# Altium PCB Layout.PcbDoc (part 3 of 4)
Units mil, origin at the board's own origin, x right, y up, seen from the top; angles counter-clockwise.
Board outline 11008.03 x 7942.91 mil, 4 copper layers (Top Layer, Mid 1, Mid 2, Bottom Layer), stack 23.712 mil thick; 525 components, 275 nets, 1569 pads, 373 vias.
Unrouted connection lines stored in the file: 16.
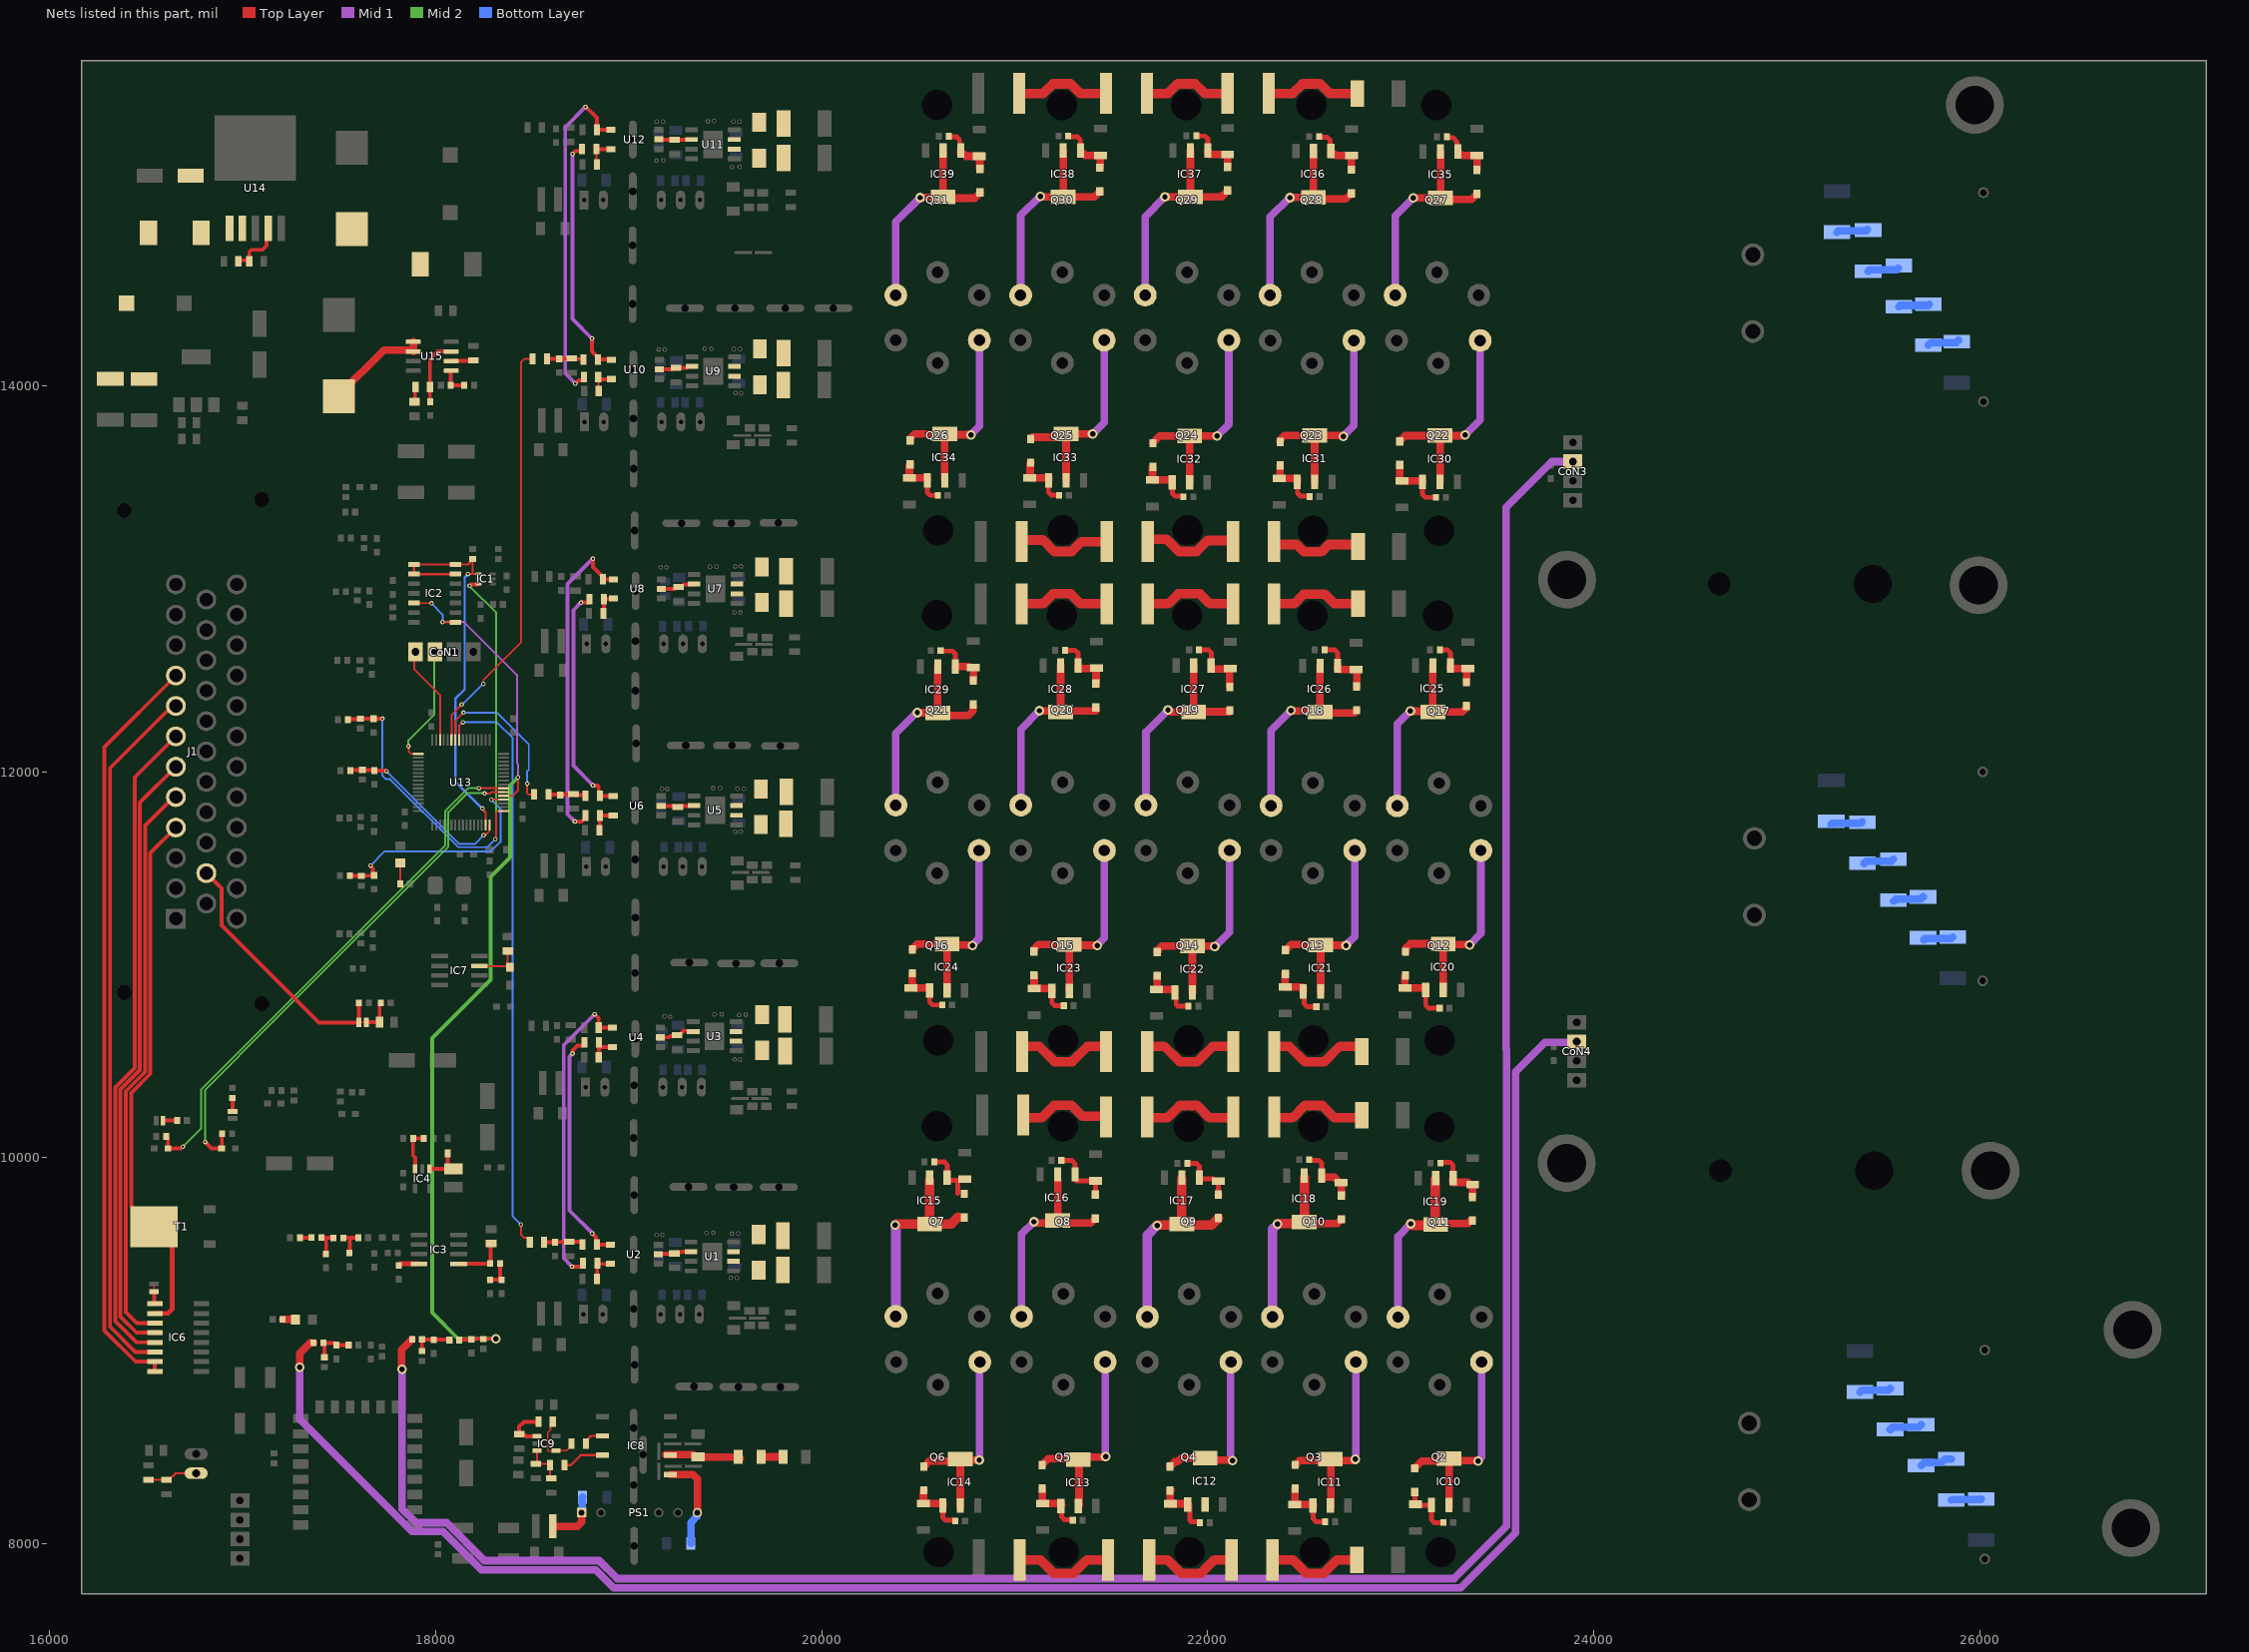
[diagram p5: the nets of this part, all layers, seen from the top]

## Via types
v1: diameter 50, hole 28, Top Layer to Bottom Layer, 129 vias
v2: diameter 23.62, hole 11.81, Top Layer to Bottom Layer, 97 vias
v3: diameter 19.68, hole 7.87, Top Layer to Bottom Layer, 72 vias
v4: diameter 25/25/25/25 (per signal layer), hole 15, Top Layer to Bottom Layer, 50 vias
v5: diameter 23.62, hole 11.81, Top Layer to Bottom Layer, tented top, 21 vias
v6: diameter 157.48, hole 157.48, Top Layer to Bottom Layer, 4 vias

## Nets (pads, with @x,y where several pads share a name; then routed paths per layer and width w, separated by ;. In a path a pad name is that pad's centre, name@x,y a point inside that pad or via, vN(x,y) a via of type N, cw(c..) or ccw(c..) an arc to the next point about the centre after c; other vN are vias at no path point) (continued)
NetC76_1: C76.1 IC3.1 R55.1 | length 268.9
  Top Layer w20: IC3.1@18118.12,9450.99 18119.03,9451.89 18280.63,9451.89 R55.1@18281.53,9452.8 18284.19,9455.46 18284.19,9552.67 C76.1@18286.85,9555.33
NetC77_2: C77.2 R50.1 R51.1 | length 151
  Top Layer w20: R50.1@17407.71,9587.32 17408.85,9586.19 17431.76,9586.19 ; C77.2@17423.86,9501.56 17429.61,9507.31 17431.76,9509.45 17431.76,9586.19 ; R51.1@17469.89,9585.06 17468.76,9586.19 17431.76,9586.19
NetC78_2: C78.2 R51.2 R52.1 | length 162.2
  Top Layer w20: R51.2@17521.07,9585.06 17559.47,9585.06 ; C78.2@17548.47,9505.42 17554.22,9511.17 17554.22,9523.77 17555.3,9524.85 17555.3,9580.89 17559.47,9585.06 ; R52.1@17598.08,9586.5 17593.05,9586.5 17592.33,9585.78 17592.33,9585.06 17559.47,9585.06
NetC80_2: C80.2 IC3.8 | length 110
  Top Layer w25: C80.2@17808.09,9442.43 17808.09,9444.4 17814.68,9450.99 IC3.8@17913.4,9450.99
NetC81_2: C81.2 C82.2 R55.2 | length 157.5
  Top Layer w20: C82.2@18273.08,9369.58 18274.02,9368.63 18340.25,9368.63 C81.2@18341.19,9367.69 18341.19,9369.65 18332.72,9378.13 R55.2@18332.72,9452.8
NetC83_2: C83.2 R57.2 SJ1.1 | length 169.1
  Top Layer w20: SJ1.1@17640.99,10701.21 17642.03,10702.24 17708.05,10702.24 C83.2@17709.08,10703.27 17709.08,10784.71 17720.89,10796.52 R57.2@17720.89,10798.49
NetC91_1: C91.1 D9.A R70.1 R71.1
NetC93_1: C93.1 D9.C U14.1
NetC95_2: C95.2 R74.2 U15.3 | length 346.6
  Top Layer w20: C95.2@17970.57,13917.25 17970.18,13917.64 17970.18,13993.63 R74.2@17969.79,13994.02 17969.79,14137.46 18010.36,14178.04 U15.3@18079.04,14178.04
NetC96_2: C96.2 R74.1 | length 78.9
  Top Layer w20: C96.2@17889.87,13917.25 17892.42,13919.81 17892.42,13991.46 R74.1@17894.98,13994.02
NetC103_1: C103.1 IC7.3 L11.2 | length 233.2
  Top Layer w10: IC7.3@18225.58,10994.96 18227.33,10993.21 18377.13,10993.21 18372.96,10997.37 C103.1@18372.96,11072.43
NetC108_2: C108.2 R83.2 R84.1 R86.2 | length 201.5
  Top Layer w20: R86.2@17928.65,8998.07 17928.65,9055.92 17930.6,9057.87 18068.69,9057.87 R83.2@18070.64,9055.92
NetC111_2: C111.2 IC8.1 PS1.7 | length 497.5
  Top Layer w39.37: IC8.1@19215.55,8359.34 19332.25,8359.34 19355.32,8336.28 PS1.7@19355.32,8161.79
  Bottom Layer w39.37: C111.2@19321.85,8001.97 19321.85,8111.53 19353.58,8143.26 19353.58,8160.06 PS1.7@19355.32,8161.79
NetC113_2: C113.2 L12.2 PS1.1 | length 289.3
  Top Layer w39.37: L12.2@18605.47,8090.99 18732.25,8090.99 18755.32,8114.06 PS1.1@18755.32,8161.79
  Bottom Layer w39.37: PS1.1@18755.32,8161.79 18758.03,8164.5 18758.03,8239.02 C113.2@18760.75,8241.74
NetC115_2: C115.2 R96.2 R97.1 R99.2 | length 214.9
  Top Layer w20: R99.2@17423.86,8966.58 17423.86,9032.81 17417.34,9039.33 R97.1@17417.34,9041.3 17474.81,9041.3 17484.81,9031.3 C115.2@17484.81,9029.33 17485.12,9029.65 17548.16,9029.65 R96.2@17548.47,9029.96
NetC130_1: C130.1 C131.2 | length 484.5
  Top Layer w50: C131.2@21695.96,7916.82 21791.61,7916.82 21861.23,7847.2 21964.83,7847.2 22034.45,7916.82 C130.1@22122.81,7916.82
NetC130_2: C130.2 R129.1 | length 473.2
  Top Layer w50: C130.2@22357.15,7916.82 22439.66,7916.82 22509.28,7847.2 22600.18,7847.2 22669.79,7916.82 R129.1@22772.64,7916.82
NetC131_1: C131.1 C132.1 | length 515.5
  Top Layer w50: C132.1@21025.54,7916.82 21132.04,7916.82 21201.65,7847.2 21304.45,7847.2 21374.07,7916.82 C131.1@21483.37,7916.82
NetC133_1: C133.1 C134.2 | length 497.9
  Top Layer w50: C134.2@21686.06,10207.63 21790.93,10207.63 21854.3,10270.99 21945.2,10270.99 22008.56,10207.63 C133.1@22131.5,10207.63
NetC133_2: C133.2 R146.1 | length 503.3
  Top Layer w50: C133.2@22344.1,10207.63 22438.99,10207.63 22502.35,10270.99 22593.25,10270.99 22656.61,10207.63 22782.41,10207.63 22787.47,10202.57 R146.1@22792.85,10202.57
NetC134_1: C134.1 C135.2 | length 483
  Top Layer w50: C135.2@21044.59,10207.63 21138.18,10207.63 21202.84,10272.29 21293.74,10272.29 21350.89,10215.14 21466.96,10215.14 21466.96,10214.13 C134.1@21473.46,10207.63
NetC136_1: C136.1 C138.2 | length 511.4
  Top Layer w50: C138.2@21686.06,10577.71 21774.72,10577.71 21854.3,10498.13 21945.42,10498.13 22025,10577.71 C136.1@22131.5,10577.71
NetC136_2: C136.2 R166.1 | length 518.4
  Top Layer w50: C136.2@22344.1,10577.71 22422.77,10577.71 22502.35,10498.13 22604.45,10498.13 22684.03,10577.71 R166.1@22796.56,10577.71
NetC138_1: C138.1 C139.2 | length 501.9
  Top Layer w50: C139.2@21037.51,10577.71 21126.18,10577.71 21205.76,10498.13 21296.66,10498.13 21376.24,10577.71 C138.1@21473.46,10577.71
NetC141_1: C141.1 C143.2 | length 484.1
  Top Layer w50: C143.2@21688.98,12870.91 21795.47,12870.91 21846.97,12922.4 21959.69,12922.4 22011.18,12870.91 C141.1@22130.4,12870.91
NetC141_2: C141.2 R177.1 | length 475.8
  Top Layer w50: C141.2@22343,12870.91 22446.54,12870.91 22495.42,12919.79 22607.22,12919.79 22656.1,12870.91 R177.1@22778.33,12870.91
NetC143_1: C143.1 C144.2 | length 482.7
  Top Layer w50: C144.2@21036.3,12870.91 21147.33,12870.91 21198.83,12922.4 21289.73,12922.4 21341.22,12870.91 C143.1@21476.38,12870.91
NetC147_1: C147.1 C149.2 | length 519.8
  Top Layer w50: C149.2@21688.98,13192.84 21688.98,13198.97 21695.47,13205.47 21786.81,13205.47 21850.28,13141.99 21941.18,13141.99 21998.16,13198.97 22123.9,13198.97 22130.4,13205.46 C147.1@22130.4,13222.44
NetC147_2: C147.2 R188.1 | length 477.9
  Top Layer w50: C147.2@22343,13192.84 22349.49,13186.34 22349.49,13177.75 22460.61,13177.75 22498.34,13140.03 22589.23,13140.03 22626.96,13177.75 R188.1@22778.33,13177.75
NetC149_1: C149.1 C150.2 | length 505
  Top Layer w50: C150.2@21036.3,13192.84 21036.3,13194.29 21042.8,13200.79 21145.76,13200.79 21204.55,13141.99 21295.45,13141.99 21346.3,13192.84 21469.88,13192.84 21469.88,13205.47 C149.1@21476.38,13211.96
NetC151_1: C151.1 C152.2 | length 458.8
  Top Layer w50: C152.2@21685.1,15514.76 21793.39,15514.76 21843.36,15564.72 21934.25,15564.72 21984.21,15514.76 C151.1@22102.51,15514.76
NetC151_2: C151.2 R199.1 | length 501.8
  Top Layer w50: C151.2@22315.1,15514.76 22440.48,15514.76 22490.44,15564.72 22581.34,15564.72 22631.3,15514.76 R199.1@22775.47,15514.76
NetC152_1: C152.1 C153.1 | length 490.9
  Top Layer w50: C153.1@21022.97,15514.76 21147.86,15514.76 21197.82,15564.72 21288.72,15564.72 21338.68,15514.76 C152.1@21472.51,15514.76
NetCoN1_1: CoN1.1 U13.46 | length 514.5
  Top Layer w10: CoN1.1@17895.17,12621.8 17888.01,12614.64 17888.01,12531.81 18022.38,12397.44 U13.46@18022.38,12165.94
NetCoN1_2: CoN1.2 U13.49 | length 609.6
  Top Layer w10: v2(17857.72,12133.18) 17860.32,12130.58 17860.32,12103.53 17870.92,12092.94 U13.49@17909.38,12092.94
  Mid 2 w10: v2(17857.72,12133.18) 17857.72,12163.23 17992.31,12297.82 CoN1.2@17992.31,12602.85
NetCoN3_3: CoN3.3 R84.2 | length 12610.3
  Top Layer w39.37: v1(17824.95,8904.96) 17822.92,8906.99 17822.92,9005.27 R84.2@17877.47,9059.82
  Mid 1 w39.37: v1(17824.95,8904.96) 17824.95,8181.31 17896.62,8109.65 18056.14,8109.65 18252.88,7912.91 18845.95,7912.91 18938.89,7819.96 23275.57,7819.96 23548.72,8093.12 23548.72,10558.83 23546.15,10561.41 23546.15,13369.97 23783.46,13607.28 CoN3.3@23891.73,13607.28
NetCoN4_3: CoN4.3 R97.2 | length 9992.8
  Top Layer w39.37: v1(17295.21,8915.4) 17295.21,8986.94 17349.57,9041.3 R97.2@17366.16,9041.3
  Mid 1 w39.37: v1(17295.21,8915.4) 17295.21,8646.91 17877.83,8064.29 18037.35,8064.29 18235.66,7865.99 18827.96,7865.99 18922.3,7771.65 23309.13,7771.65 23594.08,8056.6 23594.08,10445.63 23746.27,10597.82 CoN4.3@23921.85,10597.82
NetD1_a: D1.a R1.1
NetD1_k: D1.k R3.1 U1.6 U1.7
NetD2_a: D2.a R9.1
NetD2_k: D2.k R11.1 U3.6 U3.7
NetD3_a: D3.a R15.1
NetD3_k: D3.k R17.1 U5.6 U5.7
NetD4_a: D4.a R23.1
NetD4_k: D4.k R25.1 U7.6 U7.7
NetD5_a: D5.a R29.1
NetD5_k: D5.k R31.1 U9.6 U9.7
NetD6_a: D6.a R37.1
NetD6_k: D6.k R39.1 U11.6 U11.7
NetD7_A: D7.A R43.1 | length 108.4
  Top Layer w10: R43.1@17815.31,11419.83 D7.A@17815.31,11528.28
NetD8_A: D8.A IC4.1 L8.2 | length 175.1
  Top Layer w20: IC4.1@17967.66,9943.17 18062.51,9943.17 18061.35,9944.34 D8.A@18061.35,10022.92
NetD10_C: D10.C L9.1 U14.2
NetD11_A: D11.A R79.1 | length 66.3
  Top Layer w39.37: R79.1@17206.55,9162.88 17272.09,9162.88 D11.A@17272.65,9162.32
NetD12_a: D12.a IC10.1 R133.1 R138.2 | length 294.5
  Top Layer w25: D12.a@23071.5,8268.44 23072.55,8267.39 23072.55,8200.17 23073.6,8199.12 23153.05,8199.12 23159.25,8192.92 23159.25,8188.39 23159.25,8123.96 23173.9,8109.32 23218.67,8109.32 R133.1@23219.82,8110.47
NetD12_k: D12.k IC10.2 IC10.4 Q2.1 | length 1111.2
  Top Layer w39.37: D12.k@23071.5,8391.47 23072.49,8392.46 23072.49,8393.44 23073.47,8394.43 23074.46,8394.43 23108.58,8428.55 23249.8,8428.55 23252.03,8430.78 23397.99,8430.78 v1(23400.02,8428.74) ; IC10.4@23240.33,8428.55 23249.8,8419.07 IC10.2@23249.8,8188.39
  Mid 1 w39.37: v1(23400.02,8428.74) 23400.02,8431.62 23418.64,8450.24 Q2.1@23418.64,8941.93
NetD13_a: D13.a IC11.1 R134.1 R139.2 | length 320.3
  Top Layer w25: IC11.1@22546.71,8190.41 22546.71,8129.19 22561.36,8114.55 R134.1@22608.83,8114.55
  Top Layer w39.37: R139.2@22450.84,8204.76 R139.2@22452.35,8204.76 ; D13.a@22452.35,8286.04 R139.2@22452.35,8204.76 ; IC11.1@22546.71,8190.41 22546.71,8203.78 22545.73,8204.76 R139.2@22452.35,8204.76
NetD13_k: D13.k IC11.2 IC11.4 Q3.1 | length 1069.9
  Top Layer w39.37: D13.k@22452.35,8409.07 22453.34,8410.05 22453.34,8411.04 22455.88,8411.04 22475.41,8430.56 IC11.4@22637.26,8430.56 ; IC11.2@22637.26,8190.41 IC11.4@22637.26,8430.56 ; v1(22764.07,8438.1) 22761.2,8438.1 22753.66,8430.56 IC11.4@22637.26,8430.56
  Mid 1 w39.37: v1(22764.07,8438.1) 22764.07,8440.98 22767.8,8444.7 Q3.1@22767.8,8941.93
NetD14_a: D14.a IC12.1 R135.1 R140.2 | length 311
  Top Layer w25: IC12.1@21900.42,8185.64 21906.62,8179.44 21906.62,8121.05 21913.12,8114.55 21953.98,8114.55 21954.1,8114.44 21956.07,8114.44 21959.31,8111.19 R135.1@21959.31,8109.22
  Top Layer w39.37: D14.a@21803.5,8276.58 21804.48,8275.6 21804.48,8207.86 R140.2@21805.65,8207.86 21894.93,8207.86 21900.42,8202.37 IC12.1@21900.42,8185.64 ; D14.a@21810.21,8278.18 D14.a@21810.21,8279.17
NetD14_k: D14.k IC12.2 IC12.4 Q4.1 | length 866.2
  Top Layer w39.37: D14.k@21803.5,8399.61 21803.5,8400.6 21804.48,8401.58 21805.47,8401.58 21829.68,8425.8 21843.04,8425.8 21861.8,8444.57 21978.06,8444.57 21991.29,8431.34 21993.32,8433.37 22126.3,8433.37 v1(22128.33,8431.34)
  Mid 1 w39.37: Q4.1@22119.75,8941.93 22118.68,8940.86 22118.68,8443.87 22128.33,8434.21 v1(22128.33,8431.34)
NetD15_a: D15.a IC13.1 R136.1 R141.2 | length 312.5
  Top Layer w25: IC13.1@21242.71,8200.74 21242.71,8139.62 21257.36,8124.98 21298,8124.98 R136.1@21300.84,8122.14
  Top Layer w39.37: D15.a@21142.03,8286.68 D15.a@21142.03,8285.7 21142.03,8208.82 21241.73,8208.82 21241.73,8201.72 IC13.1@21242.71,8200.74
NetD15_k: D15.k IC13.2 IC13.4 Q5.1 | length 1078.1
  Top Layer w39.37: D15.k@21142.03,8408.73 21142.03,8409.71 21173.21,8440.9 IC13.4@21333.27,8440.9 ; IC13.2@21333.27,8200.74 IC13.4@21333.27,8440.9 ; v1(21470.47,8451.77) 21468.44,8449.74 21342.11,8449.74 IC13.4@21333.27,8440.9
  Mid 1 w39.37: Q5.1@21468.29,8941.93 21469.38,8940.84 21469.38,8452.86 v1(21470.47,8451.77)
NetD16_a: D16.a IC14.1 R137.1 R142.2 | length 314.8
  Top Layer w25: IC14.1@20626.97,8194.88 20626.97,8136.79 20641.61,8122.15 20687.93,8122.15 20691.17,8118.9 R137.1@20691.17,8118.13
  Top Layer w39.37: D16.a@20529.46,8277.8 20529.46,8276.82 20526.28,8273.63 R142.2@20526.28,8209.04 20625.98,8209.04 20626.97,8208.05 IC14.1@20626.97,8194.88
NetD16_k: D16.k IC14.2 IC14.4 Q6.1 | length 1050.1
  Top Layer w39.37: D16.k@20529.46,8400.83 20530.45,8401.82 20530.45,8402.8 20531.43,8403.79 20532.41,8403.79 20556.97,8428.34 20710.82,8428.34 IC14.4@20717.52,8435.04 ; IC14.2@20717.52,8194.88 IC14.4@20717.52,8435.04 ; v1(20815.8,8434.56) 20815.56,8434.8 20717.76,8434.8 IC14.4@20717.52,8435.04
  Mid 1 w39.37: v1(20815.8,8434.56) 20817.37,8436.13 20817.37,8940.36 Q6.1@20818.94,8941.93
NetD17_a: D17.a IC15.1 R153.1 R161.2 | length 267.4
  Top Layer w25: R153.1@20593.78,9979.33 20634.96,9979.33 20649.61,9964.69 IC15.1@20649.61,9897.56 20649.61,9884.06 20703.02,9884.06 20703.92,9884.96 20704.81,9884.06 20704.81,9816.35 20705.71,9815.45
NetD17_k: D17.k IC15.2 IC15.4 Q7.1 | length 1045.6
  Top Layer w50: v1(20379.3,9651.6) 20385.18,9657.48 20510.83,9657.48 20559.06,9657.48 20670.77,9657.48 20705.71,9692.42 ; IC15.4@20559.06,9657.4 IC15.2@20559.06,9885.16
  Mid 1 w50: v1(20379.3,9651.6) 20383.62,9647.27 Q7.1@20383.62,9178.87
NetD18_a: D18.a IC16.1 R154.1 R162.2 | length 341.4
  Top Layer w25: R154.1@21241.1,9987.2 21294.59,9987.2 21311.97,9969.82 21311.97,9902.56 21311.97,9887.11 21318.17,9880.91 R162.2@21418.27,9880.91 21417.78,9880.41 21417.78,9810.04 D18.a@21417.28,9809.55
NetD18_k: D18.k IC16.2 IC16.4 Q8.1 | length 1068.1
  Top Layer w39.37: v1(21098.85,9668.58) 21101.73,9668.58 21107.91,9662.4 21394.15,9662.4 21417.28,9685.53 D18.k@21417.28,9686.52 ; IC16.4@21222.4,9665.67 IC16.2@21222.4,9884.84
  Mid 1 w39.37: Q8.1@21035.22,9177.57 21035.22,9604.94 v1(21098.85,9668.58)
NetD19_a: D19.a IC17.1 R155.1 R163.2 | length 311.3
  Top Layer w25: R155.1@21893.19,9971.91 21940.92,9971.91 21955.56,9957.27 21955.56,9891.87 22030.26,9891.87 22041.79,9880.35 R163.2@22055.56,9880.35 22054.92,9879.7 22054.92,9811.26 D19.a@22054.27,9810.61
  Top Layer w39.37: D19.a@22054.27,9810.61 22054.27,9809.63 D19.a@22055.26,9808.64
NetD19_k: D19.k IC17.2 IC17.4 Q9.1 | length 1068.6
  Top Layer w50: v1(21737.1,9649.6) 21739.21,9651.72 22018.41,9651.72 D19.k@22054.27,9687.58 ; IC17.4@21865.01,9650.36 IC17.2@21865.01,9891.87
  Mid 1 w50: Q9.1@21686.68,9176.27 21686.68,9599.18 v1(21737.1,9649.6)
NetD20_a: D20.a IC18.1 R156.1 R164.2 | length 327.4
  Top Layer w25: R156.1@22525.59,9990.33 22525.59,9990.04 22528.84,9986.79 22575.91,9986.79 22590.55,9972.15 IC18.1@22590.55,9899.35
  Top Layer w39.37: IC18.1@22590.55,9899.35 22654.54,9899.35 22677.6,9876.29 22677.6,9872.18 R164.2@22691.38,9872.18 22691.46,9872.18 22691.46,9804.93 D20.a@22691.55,9804.85
NetD20_k: D20.k IC18.2 IC18.4 Q10.1 | length 1072.8
  Top Layer w39.37: IC18.4@22500,9659.19 22669.91,9659.19 22691.55,9680.83 D20.k@22691.55,9681.82
  Top Layer w50: v1(22361.61,9656.97) 22363.84,9659.19 22500,9659.19 IC18.2@22500,9899.35
  Mid 1 w50: Q10.1@22334.73,9176.27 22334.73,9630.08 v1(22361.61,9656.97)
NetD21_a: D21.a IC19.1 R157.1 R165.2 | length 319.9
  Top Layer w25: R157.1@23218.07,9976.78 23255.59,9976.78 23270.24,9962.13 23270.24,9891.55 IC19.1@23269.25,9890.57
  Top Layer w39.37: IC19.1@23269.25,9890.57 23269.25,9873.84 23270.24,9872.85 23347.04,9872.85 23358.42,9861.47 R165.2@23372.2,9861.47 23372.2,9800.25 23370.3,9798.35 D21.a@23370.3,9797.37
NetD21_k: D21.k IC19.2 IC19.4 Q11.1 | length 1059.9
  Top Layer w39.37: IC19.4@23178.7,9650.41 23187.8,9659.51 23347.24,9659.51 23360.09,9672.37 23369.31,9672.37 23369.31,9673.35 D21.k@23370.3,9674.33
  Top Layer w50: v1(23051.26,9658.57) 23059.42,9650.41 IC19.4@23178.7,9650.41 ; IC19.4@23178.7,9674.33 IC19.2@23178.7,9890.57
  Mid 1 w39.37: Q11.1@22985.57,9174.97 22985.57,9592.89 v1(23051.26,9658.57)
NetD22_a: D22.a IC20.1 R167.1 R172.2 | length 341.6
  Top Layer w25: IC20.1@23128.74,10868.77 23128.74,10789.45 23143.38,10774.8 R167.1@23201.21,10774.8
  Top Layer w39.37: D22.a@23023.83,10944.55 23023.83,10943.57 23021.28,10941.02 R172.2@23021.28,10879.3 23127.76,10879.3 23128.74,10878.32 IC20.1@23128.74,10868.77
NetD22_k: D22.k IC20.2 IC20.4 Q12.1 | length 1109.7
  Top Layer w39.37: D22.k@23023.83,11067.58 23024.81,11068.57 23024.81,11085.87 23047.87,11108.93 IC20.4@23219.29,11108.93 IC20.2@23219.29,10868.77 ; IC20.4@23226.7,11099.19 23232.17,11104.66 23353.75,11104.66 v1(23355.79,11102.63)
  Mid 1 w39.37: v1(23355.79,11102.63) 23355.79,11103.81 23414.63,11162.65 Q12.1@23414.63,11592.85
NetD23_a: D23.a IC21.1 R168.1 R173.2 | length 321
  Top Layer w25: IC21.1@22494.22,10863.1 22500,10857.32 22500,10797.17 22514.65,10782.52 R168.1@22562.48,10782.52
  Top Layer w39.37: D23.a@22401.04,10955.26 22402.02,10954.28 D23.a@22402.02,10953.29 22401.04,10952.31 22401.04,10949.36 22400.15,10948.46 R173.2@22400.15,10885.48 22488.57,10885.48 22494.22,10879.83 IC21.1@22494.22,10863.1
NetD23_k: D23.k IC21.2 IC21.4 Q13.1 | length 1065.3
  Top Layer w39.37: D23.k@22402.02,11076.32 22402.02,11077.31 22430.07,11105.36 22582.67,11105.36 IC21.4@22584.77,11103.25 IC21.2@22584.77,10863.1 ; IC21.4@22600.04,11100.42 22601.23,11101.61 22714.94,11101.61 v1(22716.59,11099.96)
  Mid 1 w39.37: v1(22716.59,11099.96) 22716.59,11102.83 22760.87,11147.11 Q13.1@22760.87,11592.85
NetD24_a: D24.a IC22.1 R169.1 R174.2 | length 315.8
  Top Layer w25: IC22.1@21829.78,10857.99 21835.98,10851.79 21835.98,10794.44 21844.42,10786 R169.1@21899.9,10786
  Top Layer w39.37: R174.2@21733.16,10872.8 R174.2@21737.08,10872.8 ; D24.a@21738.07,10943.85 21737.08,10942.86 R174.2@21737.08,10872.8 ; IC22.1@21829.78,10857.99 21829.78,10871.81 21828.79,10872.8 R174.2@21737.08,10872.8
NetD24_k: D24.k IC22.2 IC22.4 Q14.1 | length 1080.8
  Top Layer w39.37: D24.k@21738.07,11066.88 21739.05,11067.86 21739.05,11075.08 21762.11,11098.15 IC22.4@21920.33,11098.15 IC22.2@21920.33,10857.99 ; IC22.4@21929.83,11088.5 21938.07,11096.74 22034.63,11096.74 v1(22036.04,11095.33)
  Mid 1 w39.37: v1(22036.04,11095.33) 22038.91,11095.33 22112.82,11169.24 Q14.1@22112.82,11592.85
NetD25_a: D25.a IC23.1 R170.1 R175.2 | length 305.3
  Top Layer w25: IC23.1@21191.88,10864.6 21191.88,10803.59 21206.52,10788.94 R170.1@21254.15,10788.94
  Top Layer w39.37: D25.a@21098.06,10948.42 21099.04,10947.44 D25.a@21099.04,10946.45 21100.02,10945.47 21100.02,10877.42 R175.2@21101.11,10877.42 21190.89,10877.42 21191.88,10876.44 IC23.1@21191.88,10864.6
NetD25_k: D25.k IC23.2 IC23.4 Q15.1 | length 1101.4
  Top Layer w39.37: D25.k@21099.04,11069.48 21099.04,11081.69 21122.1,11104.76 IC23.4@21282.43,11104.76 ; IC23.2@21282.43,10864.6 IC23.4@21282.43,11104.76 ; v1(21427.39,11099.3) 21425.35,11101.34 21285.85,11101.34 IC23.4@21282.43,11104.76
  Mid 1 w39.37: v1(21427.39,11099.3) 21427.39,11102.18 21464.28,11139.07 Q15.1@21464.28,11592.85
NetD26_a: D26.a IC24.1 R171.1 R176.2 | length 296.8
  Top Layer w25: IC24.1@20558.82,10867.73 20558.82,10808.17 20574.57,10792.42 R171.1@20623.95,10792.42
  Top Layer w39.37: D26.a@20468.25,10954.69 20468.25,10899.08 20487.63,10879.7 20557.83,10879.7 20557.83,10868.71 IC24.1@20558.82,10867.73
NetD26_k: D26.k IC24.2 IC24.4 Q16.1 | length 1076.5
  Top Layer w39.37: D26.k@20469.23,11079.69 20470.22,11080.68 20470.22,11085.66 20493.28,11108.73 20648.52,11108.73 IC24.4@20649.37,11107.88 ; IC24.2@20649.37,10867.73 IC24.4@20649.37,11107.88 ; v1(20780.6,11100.45) 20778.56,11102.48 20654.77,11102.48 IC24.4@20649.37,11107.88
  Mid 1 w39.37: v1(20780.6,11100.45) 20780.6,11103.33 20814.92,11137.65 Q16.1@20814.92,11592.85
NetD27_a: D27.a IC25.1 R178.1 R183.2 | length 305.4
  Top Layer w25: R178.1@23202.45,12632.63 23203.33,12631.75 23242.1,12631.75 23256.74,12617.11 IC25.1@23256.74,12551.04
  Top Layer w39.37: IC25.1@23256.74,12551.04 23256.74,12536.01 23257.73,12535.02 R183.2@23341.29,12535.02 ; D27.a@23340.31,12463.94 23341.29,12464.93 R183.2@23341.29,12535.02 ; R183.2@23348.45,12535.02 R183.2@23341.29,12535.02
NetD27_k: D27.k IC25.2 IC25.4 Q17.1 | length 1070.2
  Top Layer w39.37: v1(23049.84,12316.26) 23051.88,12314.23 23162.84,12314.23 IC25.4@23166.19,12310.88 ; IC25.2@23166.19,12551.04 IC25.4@23166.19,12310.88 ; D27.k@23340.31,12340.91 23340.31,12333.94 23317.25,12310.88 IC25.4@23166.19,12310.88
  Mid 1 w39.37: Q17.1@22981.56,11823.76 22981.56,12247.98 v1(23049.84,12316.26)